# Allegro board A527_draft_V1_0.brd (continued)
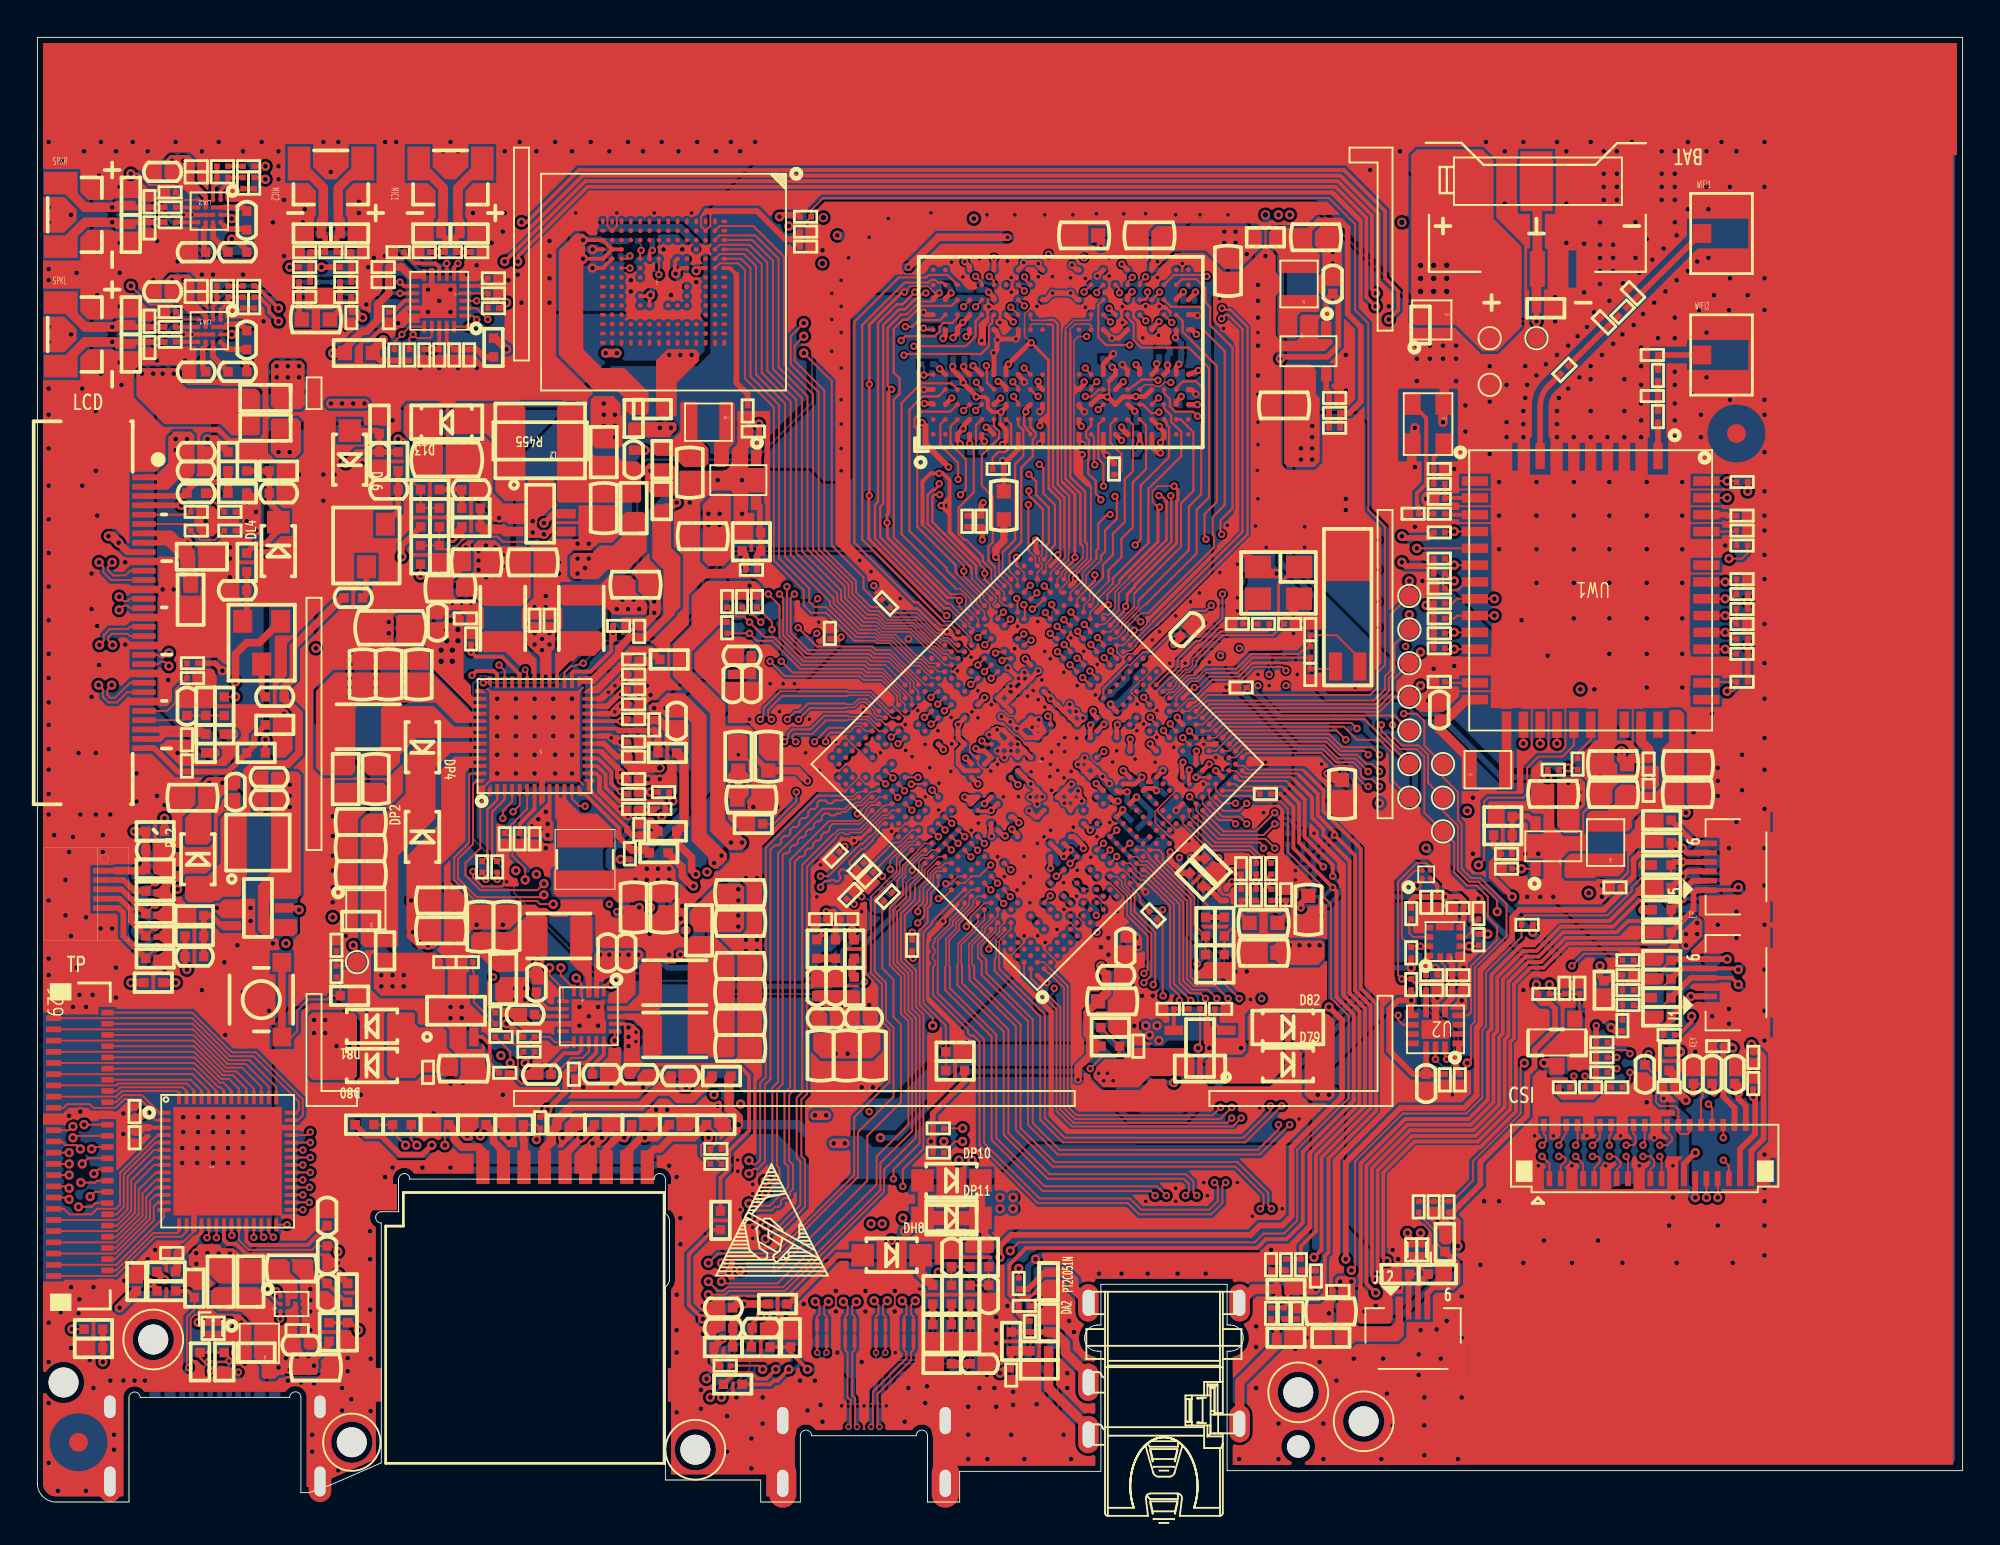
[diagram p0: board, top side]
## Routing (per net, layer and track width the routed paths; a pad name or vN(x,y) marks a point on that pad's centre or on a via; arc(x,y) is an arc through that point) (continued)
SDQS1P: length 26.3
  TOP w0.076: 48.76,48.1 48.83,48.1 48.99,47.94 48.99,47.9 49.87,47.02 49.87,46.88 49.94,46.8 50.04,46.8 50.1,46.75 50.1,46.67 50,46.57 U1.AB32
  TOP w0.097: v1(49.55,63.98) 49.88,64.31 UD1.D10
  TOP w0.127: v1(47.53,64.72) 47.38,64.72 47.07,64.4 46.97,64.4 46.41,63.84 46.09,63.84 45.25,62.99 45.25,53.43 45.09,53.27 45.09,51.65 48.64,48.1 48.76,48.1
  ART04 w0.104: v1(49.55,63.98) 49.71,63.98 49.71,63.98
  ART04 w0.127: v1(49.55,63.98) 49.71,63.98 49.78,64.06 49.78,64.33 48.95,65.16 47.44,65.16 47.32,65.03 47.32,64.86 47.44,64.72 v1(47.53,64.72)
SDQS2N: length 15.1
  TOP w0.076: 58.41,49.51 58.41,49.51 58.41,49.47 57.65,48.71 57.65,47.83 57.3,47.49 57.2,47.49 57.14,47.54 57.03,47.54 56.95,47.47 56.95,47.36 U1.AN23
  TOP w0.127: UD1.V3 59.13,58.75 59.6,58.29 59.95,58.29 v1(60,58.34) ; 58.41,49.51 60.41,51.51 60.41,53.58 60.12,53.87 v1(60,53.87)
  ART04 w0.127: v1(60,58.34) 60,58.42 60.14,58.57 60.17,58.57 60.47,58.27 60.47,55.3 60.15,54.99 60.15,54.02 v1(60,53.87)
SDQS2P: length 15.1
  TOP w0.076: 58.59,49.33 58.56,49.33 57.85,48.63 57.85,47.74 57.13,47.02 U1.AM23
  TOP w0.127: 58.59,49.33 60.66,51.4 60.66,53.84 v1(60.64,53.87) ; UD1.W3 v1(59.97,59.1)
  ART04 w0.127: v1(60.64,53.87) 60.45,54.06 60.45,54.86 60.76,55.18 60.76,58.39 60.28,58.87 60.28,58.87 60.26,58.89 60.18,58.89 v1(59.97,59.1)
SDQS3N: length 26.3
  TOP w0.076: U1.AN19 59.36,46.78 59.36,46.78 59.68,47.09 59.68,47.13
  TOP w0.127: 59.68,47.13 64.47,51.92 64.47,62.79 63.71,63.55 63.56,63.55 v1(63.36,63.34) ; v1(59.39,64.77) 59.39,64.51 59.23,64.35 58.98,64.35 UD1.V10
  ART04 w0.127: v1(59.39,64.77) 59.39,64.59 59.62,64.37 60.26,64.37 60.53,64.11 62.05,64.11 62.62,63.53 63.16,63.53 v1(63.36,63.34)
SDQS3P: length 26.5
  TOP w0.076: 59.88,46.93 59.44,46.57 58.78,45.9 58.78,45.84 58.54,45.6 U1.AM19
  TOP w0.127: v1(63.38,63.9) 63.46,63.82 63.82,63.82 64.74,62.9 64.74,51.8 59.88,46.93 ; UD1.W10 v1(60.04,64.77)
  ART04 w0.127: v1(60.04,64.77) 60.15,64.66 60.39,64.66 60.65,64.4 62.17,64.4 62.74,63.83 63.31,63.83 v1(63.38,63.9)
SPKL+: length 14.6
  TOP w0.3: DA9.2 5.1,62.9 CA30.1 v2(6.4,62.9) RA14.2
  TOP w0.5: DA9.2 4.3,63 4.2,62.9 v2(4,62.9) JA2.1 2.55,62.9 JA2.3
  BOTTOM w0.2: CA64.1 12.8,65.1 10.4,65.1 9,63.7 7.58,63.7 6.78,62.9 v2(6.4,62.9)
  BOTTOM w0.5: TP15.1 v2(4,62.9)
SPKL-: length 14.8
  TOP w0.3: DA8.2 5.1,62.1 CA29.1 v2(6.4,62.1) RA18.2
  TOP w0.5: JA2.4 2.55,62.1 JA2.2 v2(4,62.1) 4.2,62.1 4.3,62 DA8.2
  BOTTOM w0.2: v2(6.4,62.1) 7.7,63.4 9.12,63.4 10.52,64.8 12.9,64.8 CA67.1
  BOTTOM w0.5: v2(4,62.1) TP13.1
SPKR+: length 15.5
  TOP w0.3: RA16.2 v2(6.4,69.3) CA27.1 5.1,69.3 DA7.2
  TOP w0.5: DA7.2 4.3,69.4 4.2,69.3 v2(4,69.3) JA15.1 2.55,69.3 JA15.3
  BOTTOM w0.2: CA57.1 12.9,67.9 12.6,67.6 12.6,67.32 11.78,66.5 9.2,66.5 v2(6.4,69.3)
  BOTTOM w0.5: TP14.1 v2(4,69.3)
SPKR-: length 15
  TOP w0.3: DA6.2 5.1,68.5 CA26.1 v2(6.4,68.5) RA20.2
  TOP w0.5: JA15.4 2.55,68.5 JA15.2 v2(4,68.5) 4.2,68.5 4.3,68.4 DA6.2
  BOTTOM w0.2: CA60.1 11.9,66.2 9.08,66.2 6.78,68.5 v2(6.4,68.5)
  BOTTOM w0.5: TP12.1 v2(4,68.5)
SRST: length 23.1
  TOP w0.1: UD1.T11 57.87,64.96 57.87,64.76 57.88,64.75 57.88,64.74 v1(57.89,64.73)
  TOP w0.114: U1.AG23 54.91,45.2 54.6,45.51 v1(54.58,45.51)
  ART04 w0.076: v1(54.58,45.51) 54.58,46.38 55.28,47.08 55.28,47.13 56.01,47.86 56.01,48.58 56.94,49.51
  ART04 w0.114: v1(57.89,64.73) 58.48,64.14 58.48,63.46 59.26,62.67 59.29,62.67 59.51,62.45 59.51,57.58 59.73,57.37 59.73,56.19 59.43,55.9 59.43,53.06 56.94,50.57 56.94,49.51
TS: length 88.1
  TOP w0.1: UP1.39 23.89,43.89 v1(23.85,43.85)
  TOP w0.3: TP2.1 v2(80.2,63.2) RP3.2
  TOP w0.5: 80.3,70.6 80.25,70.55 JA14.3 80.2,65.95 RP3.2
  BOTTOM w0.1: v1(23.85,43.85) 27.6,43.85 30.45,46.7 30.45,48.25 32.1,49.9 32.1,55.3 32.6,55.8 38.4,55.8 41.45,58.85 41.45,68.85 42,69.4 68.3,69.4 74.5,63.2 v2(80.2,63.2)
TWI0-SCK: length 102.3
  TOP w0.1: UL3.20 v1(9.58,14.15) ; RL33.2 v2(49.5,20) ; U1.F18 v1(49.61,35.61) ; DL8.2 v2(6.3,32)
  TOP w0.3: DL8.2 4.5,32.8 JL4.3
  ART03 w0.1: v2(49.5,20) 47.3,20 45.8,18.5 42.3,18.5 40.7,20.1 39.1,20.1 38.35,20.85 36.87,20.85 36.52,20.5 32.98,20.5 31.88,21.6 28.07,21.6 27.62,22.05 26.37,22.05 25.9,22.52 23.69,22.52 23.18,23.03 21.87,23.03 15.46,29.44 12.14,29.44 10.88,30.7 8.4,30.7 7.6,31.5 7,31.5 6.5,32 v2(6.3,32) DL8.2 5.8,28.03 8.23,25.6 10.63,25.6 15.67,20.56 15.67,14.89 14.08,13.3 11.2,13.3 10.6,13.9 9.83,13.9 v1(9.58,14.15)
  ART04 w0.1: v2(49.5,20) 49.1,20.4 49.1,31.8 49.3,32 49.3,34.3 49.61,34.61 v1(49.61,35.61)
  BOTTOM w0.4: TP9.1 6.2,32.1 v2(6.3,32)
TWI0-SDA: length 103.1
  TOP w0.1: 48.9,35.61 v1(49.26,35.26) ; UL3.19 9.18,14.25 v1(9.07,14.15) ; DL9.2 v2(6.3,30.8) ; v2(49.5,19.3) 49.1,19.3 RL34.2
  TOP w0.3: JL4.4 4.4,32.3 5,31.7 5,31.1 DL9.2
  ART03 w0.1: v1(9.07,14.15) 9.52,13.7 10.52,13.7 11.12,13.1 14.17,13.1 15.87,14.81 15.87,20.64 10.72,25.8 8.32,25.8 6,28.12 6,30.5 v2(6.3,30.8) 6.7,30.8 7,30.5 10.8,30.5 12.06,29.24 15.38,29.24 21.79,22.83 23.1,22.83 23.61,22.32 25.82,22.32 26.28,21.85 27.53,21.85 27.98,21.4 31.8,21.4 32.9,20.3 36.6,20.3 36.95,20.65 38.25,20.65 39,19.9 40.6,19.9 42.2,18.3 45.9,18.3 47.4,19.8 49,19.8 v2(49.5,19.3)
  ART04 w0.1: v2(49.5,19.3) 48.9,19.9 48.9,32 49,32.1 49,34.44 49.26,34.7 v1(49.26,35.26)
  BOTTOM w0.4: v2(6.3,30.8) 6.1,30.6 TP10.1
TWI1-SCK: length 95.8
  TOP w0.1: U7.12 v1(74,29.75) 73.55,29.75 R28.2 73,30.2 73,33.1 73.7,33.8 U5.A2 ; U2.13 v1(74.8,23.7) ; U1.D18 v1(48.9,34.9)
  ART03 w0.1: v1(74.8,23.7) 74.57,23.47 67.27,23.47 67.13,23.33 65.7,23.33 65.07,22.7 62.35,22.7 59.63,19.97 52.27,19.97 50.2,17.9 49.7,17.9 v2(49.3,18.3) 48.8,18.3 48.2,17.7 41.9,17.7 40.3,19.3 38.75,19.3 38.67,19.38 36.98,19.38 34.8,17.2 34.8,8.43 36.4,6.83 36.4,6 v2(36,5.6)
  ART04 w0.1: v1(48.9,34.9) 48.2,34.2 48.2,32.8 48.6,32.4 48.6,32 48.1,31.5 48.1,30.8 48.7,30.2 48.7,19.8 49,19.5 49,18.6 v2(49.3,18.3)
  BOTTOM w0.1: U6.7 39.07,8.87 38.8,8.6 37.68,8.6 37.3,8.22 37.3,6.7 36.9,6.3 36.7,6.3 v2(36,5.6) ; v1(74.8,23.7) 75.2,23.3 75.6,23.3 76,23.7 76,25 74.3,26.7 74.3,29.45 v1(74,29.75)
TWI1-SDA: length 97.2
  TOP w0.076: U1.C17 48.2,34.55 47.48,33.83 47.48,33.57 46.95,33.05 46.95,32.85
  TOP w0.1: U5.B2 74.5,34 74.3,34.2 73.8,34.2 72.8,33.2 72.8,28.2 v1(73,28) R29.2 73.7,27.8 75.2,27.8 75.3,27.9 75.3,28.7 75.05,28.95 U7.2 ; 46.95,32.85 46.95,32.25 46.2,31.5 46.2,28.97 46.8,28.37 46.8,26.4 47.2,26 47.2,19.2 45.8,17.8 v1(45.8,17.3) ; v1(75.4,23.7) 75.3,23.8 U2.14
  ART03 w0.1: v2(36.6,5.6) 36.6,6.92 35,8.52 35,17.1 37.08,19.18 38.59,19.18 38.67,19.1 40.2,19.1 41.8,17.5 45.3,17.5 45.5,17.3 v1(45.8,17.3) 46,17.5 50.08,17.5 52.36,19.77 59.73,19.77 62.45,22.5 65.15,22.5 65.78,23.13 67.23,23.13 67.37,23.27 74.97,23.27 v1(75.4,23.7)
  BOTTOM w0.1: U6.1 38.1,7.1 v2(36.6,5.6) ; v1(73,28) 73.4,28 74.1,27.3 74.1,26.6 75.8,24.9 75.8,24.1 v1(75.4,23.7)
TWI5-SCK: length 48.8
  TOP w0.1: R42.2 19.1,62.1 v1(19.5,62.5) 19.91,62.91 UA3.16 ; U1.R30 48.12,43.39 v1(47.81,43.07)
  ART04 w0.1: v1(47.81,43.07) 47.81,43.09 45.5,45.4 42.2,45.4 41.2,46.4 41.2,49.08 40.3,49.98 40.3,59.48 36.18,63.6 29.98,63.6 28.68,64.9 23.22,64.9 22.6,64.28 22.6,63.48 22.32,63.2 20.52,63.2 20.22,62.9 19.9,62.9 v1(19.5,62.5)
TWI5-SDA: length 47.6
  TOP w0.076: 45.5,45.6 45.63,45.6 47.49,43.74 U1.R31
  TOP w0.1: UA3.17 21.1,62.4 21,62.3 20.3,62.3 v1(20.1,62.5) 19.9,62.3 R41.2 ; v1(40.7,46.8) 41.7,45.8 44.66,45.8 44.86,45.6 45.5,45.6
  ART04 w0.1: v1(40.7,46.8) 41,47.1 41,49 40.1,49.9 40.1,59.4 36.1,63.4 29.9,63.4 28.6,64.7 23.3,64.7 22.8,64.2 22.8,63.4 22.4,63 20.6,63 v1(20.1,62.5)
TX00: length 14
  TOP w0.1: UL3.41 13.94,20.44 14.2,20.7 14.2,21.56 11.68,24.07 10.41,24.07 8.28,26.2 J29.2
TX01: length 15.9
  TOP w0.1: J29.3 8.28,25.9 10.32,23.86 11.56,23.86 14,21.43 14,21 13.84,20.84 UL3.42
TX02: length 11
  TOP w0.1: UL3.43 12.78,22.22 11.35,23.65 10.25,23.65 8.3,25.6 J29.4
TX03: length 13.4
  TOP w0.1: UL3.44 12.38,22.22 11.15,23.45 10.17,23.45 8.32,25.3 J29.5
TX04: length 10
  TOP w0.1: J29.6 8.33,25 10.09,23.25 10.95,23.25 11.98,22.22 UL3.45
TX05: length 12.3
  TOP w0.1: J29.7 8.35,24.7 10,23.05 10.65,23.05 11.58,22.12 UL3.46
TX06: length 8.9
  TOP w0.1: UL3.47 11.18,22.12 10.45,22.85 9.92,22.85 8.37,24.4 J29.8
TX07: length 11.2
  TOP w0.1: UL3.48 10.78,22.12 10.25,22.65 9.84,22.65 8.39,24.1 J29.9
TX08: length 7.8
  TOP w0.1: UL3.49 10.38,22.02 9.95,22.45 9.75,22.45 8.4,23.8 J29.10
TX09: length 10.1
  TOP w0.1: J29.11 8.39,23.5 9.69,22.2 9.8,22.2 9.98,22.02 UL3.50
TX10: length 6.7
  TOP w0.1: UL3.51 9.58,22 8.37,23.2 J29.12
TX11: length 9.1
  TOP w0.1: UL3.52 9.18,22.02 8.3,22.9 J29.13
TX12: length 5.7
  TOP w0.1: UL3.53 8.78,22.02 8.2,22.6 J29.14
TX13: length 8.1
  TOP w0.1: J29.15 4.23,22.3 4.33,22.4 8,22.4 8.38,22.02 UL3.54
TX14: length 4.8
  TOP w0.1: J29.16 4.23,22 4.43,22.2 7.78,22.2 7.98,22 UL3.55
TX15: length 7.1
  TOP w0.1: UL3.56 7.58,21.9 7.48,22 4.52,22 4.22,21.7 J29.17
TX16: length 3.6
  TOP w0.1: UL3.1 6.53,20.84 5.6,21.77 4.57,21.77 4.2,21.4 J29.18
TX17: length 6.9
  TOP w0.1: J29.19 1.4,21.1 1.6,21.3 2.8,21.3 3,21.1 4.18,21.1 4.66,21.57 5.5,21.57 6.2,20.87 6.2,20.54 6.3,20.44 UL3.2
U/D: length 5
  TOP w0.1: RL2.1 9.5,53.5 8.4,53.5 8.2,53.3 RL6.2 8.05,52.85 J11.5
USB0-DM: length 63
  TOP w0.076: 44.53,35.62 44.55,35.64 44.61,35.64 44.85,35.88 44.85,36.16 45.29,36.6 45.65,36.6 U1.B24
  TOP w0.1: 44.53,35.62 44.11,35.2 44,35.2 42.3,33.5 v1(41.9,33.5)
  TOP w0.127: RP17.2 24,33.5 v1(24,33.33) ; RU2.2 v2(10.2,9.6)
  ART04 w0.127: v2(10.2,9.6) 10.2,9.8 9.95,10.05 9.45,10.05 9.3,9.9 9.3,9.1 9.5,8.9 10.84,8.9 11.35,9.41 11.35,11.95 12.2,12.8 13.3,12.8 16.15,15.65 16.15,17.65 23.95,25.45 23.95,26.92 23.45,27.43 23.45,30.15 24.15,30.85 24.15,33.18 v1(24,33.33) 24.17,33.5 24.17,33.97 25,34.8 26.6,34.8 26.82,34.58 30.18,34.58 31.15,35.55 34.49,35.55 35.59,36.65 40.05,36.65 41.45,35.25 41.45,33.72 41.67,33.5 v1(41.9,33.5)
USB0-DP: length 63
  TOP w0.076: U1.A24 45.23,36.32 45.01,36.1 45.01,35.81 44.72,35.52 44.72,35.46 44.71,35.45
  TOP w0.1: v1(41.9,32.91) 41.9,33 42.15,33.25 42.4,33.25 42.46,33.3 42.6,33.3 42.68,33.22 42.82,33.22 42.96,33.36 42.96,33.5 42.88,33.59 42.88,33.73 43.02,33.87 43.16,33.87 43.25,33.79 43.39,33.79 43.53,33.93 43.53,34.07 43.45,34.15 43.45,34.29 44.1,34.95 44.21,34.95 44.71,35.45
  TOP w0.127: v1(24.6,33.33) RP15.2 ; LU1.1 v2(8.6,9.62)
  ART04 w0.127: v1(41.9,32.91) 41.2,33.61 41.2,35.14 39.94,36.4 35.7,36.4 34.6,35.3 31.26,35.3 30.28,34.32 26.72,34.32 26.49,34.55 25.11,34.55 24.43,33.87 24.43,33.5 v1(24.6,33.33) 24.4,33.14 24.4,30.74 23.7,30.04 23.7,27.53 24.2,27.03 24.2,25.34 16.4,17.54 16.4,15.54 13.41,12.55 12.31,12.55 11.6,11.84 11.6,9.3 10.95,8.65 9.39,8.65 9.05,8.99 9.05,9.52 8.95,9.62 v2(8.6,9.62)
USB0-REXT: length 7.1
  TOP w0.1: v1(47.87,38.11) 48.2,37.78 U1.G22
  ART04 w0.1: v1(45.2,33.5) 45.2,36 47.31,38.11 v1(47.87,38.11)
  BOTTOM w0.1: v1(45.2,33.5) 45.2,33.48 R13.2
USB1-DM: length 50.3
  TOP w0.1: U1.E24 46.81,37.73 v1(47.15,37.39)
  TOP w0.127: v2(73.3,14.4) 73.5,14.2 RU5.2
  ART04 w0.127: v1(47.15,37.39) 47.2,37.34 47.2,36.5 46.35,35.65 46.35,33.05 45.7,32.4 45.7,29 47.05,27.65 47.05,19.05 51.1,15 64.5,15 65.1,14.4 69.64,14.4 69.84,14.6 70.15,14.6 70.35,14.4 70.66,14.4 70.86,14.6 71.16,14.6 71.36,14.4 71.67,14.4 71.87,14.6 72.18,14.6 72.38,14.4 72.6,14.4 73.05,13.95 73.45,13.95 73.55,14.05 73.55,14.15 v2(73.3,14.4)
USB1-DP: length 50.3
  TOP w0.1: v1(46.79,37.03) 46.44,37.38 U1.D24
  TOP w0.127: LU2.2 74.05,14.35 v2(74,14.4)
  ART04 w0.127: v2(74,14.4) 73.8,14.2 73.8,13.95 73.55,13.7 72.94,13.7 72.49,14.15 64.99,14.15 64.39,14.75 50.99,14.75 46.8,18.94 46.8,27.54 45.45,28.89 45.45,32.51 46.1,33.16 46.1,35.76 46.95,36.61 46.95,36.87 v1(46.79,37.03)
USB1-REXT: length 6.3
  TOP w0.1: v1(46.75,38.43) 46.76,38.44 U1.G24 ; R14.2 v1(43.2,35.1)
  ART04 w0.1: v1(43.2,35.1) 43.2,35.5 46.13,38.43 v1(46.75,38.43)
USB-DRVVBUS: length 82.2
  TOP w0.1: RP84.1 24.1,26.6 24.1,27.8 v1(24.4,28.1) ; U1.AK7 v1(61.28,40.91)
  ART03 w0.1: v1(24.4,28.1) 24.6,28.3 26.9,28.3 27.2,28 28.3,28 28.7,27.6 29.1,27.6 29.7,28.2 32.2,28.2 34.3,26.1 41.2,26.1 41.3,26 42,26 42.2,26.2 48.1,26.2 48.2,26.3 62.87,26.3 63.22,25.95 65.95,25.95 66.1,26.1 71.7,26.1 74.4,28.8 74.4,30.4 74.8,30.8 74.8,34.2 76.5,35.9 v2(76.5,37)
  ART04 w0.1: v2(76.5,37) 76.2,37 72.4,40.8 70.6,40.8 69.8,41.6 62.5,41.6 61.81,40.91 v1(61.28,40.91)
USB-VBUS: length 2.6
  TOP w0.3: RP75.2 15.6,8.4 14.8,7.6
  TOP w0.5: DU16.2 v2(4.8,10.8) v2(4.4,10.4)
  vias: v2(12.9,7.2) v2(13.3,7.7) v2(13.5,7.1) v2(13.9,7.8) v2(14.5,7.8) v2(14.8,25.8) v2(14.8,25.1) v2(14.8,7.3) v2(15.4,25.8) v2(15.4,25.1) v2(16,24.4) v2(16.7,24.4)
VCM-ADC: length 3.9
  TOP w0.254: v1(57.81,37.52) 57.58,37.52 57.39,37.71 U1.Y9
  BOTTOM w0.254: v1(57.81,37.52) 57.6,37.31 57.6,36.75 58.95,35.4 59.3,35.4 C67.1
VCOM: length 8.3
  TOP w0.3: J11.30 6.25,40.35 7.5,39.1 CL2.1 10.2,39.1 RL4.1 11.6,40.5 11.6,41 RL8.2
VGH-LCD: length 6.8
  TOP w0.3: RL38.1 RL24.2 CL17.1 12.4,53.5 12.89,53.01 DL4.2 12.89,51.99 12.2,51.3 11.7,51.3 RL22.2
VGL-LCD: length 17.4
  TOP w0.3: CL20.1 RL29.2 ; CL20.1 17.1,56.2 v2(16.5,55.6) ; CL20.1 RL32.2 18.15,57.35 DL6.1 ; J11.4 v2(7.7,53.35)
  ART03 w0.3: v2(7.7,53.35) 9.95,55.6 v2(16.5,55.6) 16.51,55.6
VLED+: length 21
  TOP w0.3: J11.1 6.55,54.85 6.8,54.6 6.55,54.35 J11.2 ; v2(27.1,52.4) 27.6,52.9 UL4.5
  TOP w0.8: 6.8,54.6 7.4,55.2 C651.2 CL9.1
  ART03 w0.3: 21.9,57.2 v2(21.5,56.8) ; 21.9,57.2 23,58.3 25.6,58.3 27.2,56.7 27.2,52.5 v2(27.1,52.4) ; 21.9,57.2 20.9,57.2
  ART03 w0.5: v2(21.5,56.8) v2(20.9,56.8) v2(20.3,56.8)
  BOTTOM w0.5: v2(20.3,56.8) v2(20.9,56.8) v2(21.5,56.8)
  vias: v2(7.4,56.9) v2(7.4,56.3) v2(8,56.9)
VLED-: length 25.2
  TOP w0.3: J11.8 6.55,51.35 6.8,51.6 6.55,51.85 J11.7
  TOP w0.5: v2(22.2,51.6) 22.7,52.1 RL21.1 ; 7.3,51.35 v2(8.05,51.35) RL39.1
  TOP w0.8: 6.8,51.6 7.05,51.6 RL39.1 8.05,49.8 8.2,49.65 RL27.1
  ART03 w0.5: v2(8.05,51.35) 8.05,52.65 8.7,53.3 9.8,53.3 10.8,54.3 15.6,54.3 18.3,51.6 v2(22.2,51.6)
VOL+: length 7
  TOP w0.1: R17.2 85.5,27.5 86.9,27.5 D3.2
  TOP w0.2: v2(91,28.5) 90.94,28.56 J1.5
  TOP w0.3: D3.2 87.96,28.56 J1.5
  BOTTOM w0.2: TP19.1 v2(91,28.5)
VOL-: length 7.3
  TOP w0.1: D4.2 86.9,26.5 85.5,26.5 R18.2
  TOP w0.2: J1.4 90.64,28.06 v2(91,27.7)
  TOP w0.3: D4.2 88.46,28.06 J1.4
  BOTTOM w0.2: TP18.1 v2(91,27.7)
VRA1: length 1.5
  TOP w0.203: v1(61.29,39.6) 61.25,39.56 61.25,39.35 61.25,39.35 61.25,39.03 61.25,39.03 61.25,38.82 U1.AG5
  BOTTOM w0.3: C64.1 60.91,39.23 v1(61.29,39.6)
VRA2: length 1.4
  TOP w0.203: U1.AG4 61.6,38.47 61.6,39.17 v1(61.63,39.19)
  BOTTOM w0.3: v1(61.63,39.19) 61.41,38.98 C65.1
VREFP-ADC: length 7.9
  TOP w0.254: U1.AA9 57.77,38.06 57.79,38.06 57.84,38.01 v1(58.3,38.01)
  TOP w0.3: v1(60.6,34.8) 60.6,34.35 61.3,33.65 R45.2
  ART04 w0.305: v1(60.6,34.8) 58.6,36.8 58.6,37.2 58.3,37.5 v1(58.3,38.01)
  BOTTOM w0.3: v1(58.3,38.01) 58.3,37.5 58.6,37.2 58.7,37.2 C68.1
VRP: length 1.9
  TOP w0.25: U1.AC7 59.27,38.2 59.75,38.2 v1(59.86,38.09)
  BOTTOM w0.3: C66.1 60.11,38.09 v1(59.86,38.09) 59.86,38.46 R57.1
WL-DIS-N: length 40.5
  TOP w0.076: 63.74,40.9 63.05,40.21 U1.AL5
  TOP w0.1: 63.74,40.9 63.94,41.1 69.11,41.1 69.81,40.4 71.4,40.4 v1(71.8,40) ; UW1.44 v2(90.3,49.25)
  ART04 w0.1: v2(90.3,49.25) 89.95,49.25 89.2,48.5 89.2,42.6 85.5,38.9 85.5,38 83.6,36.1 76.1,36.1 72.2,40 v1(71.8,40)
WL-REG-ON: length 26.4
  TOP w0.1: UW1.15 v2(75.8,51.95) 75.35,51.95 RW9.1 ; v1(71.2,38.3) 71.1,38.3 70.6,38.8 70.6,39.1 70.3,39.4 69.4,39.4 68.7,40.1 64.71,40.1 U1.AN2
  ART03 w0.1: v1(71.2,38.3) 70.8,38.7 70.8,40.6 71,40.8 71,41.3 72.6,42.9 72.6,50.6 73.6,51.6 75.45,51.6 v2(75.8,51.95)
WL-SDIO-CLK: length 42.7
  TOP w0.1: v1(60.23,27.1) 60.2,27.13 60.2,30.9 RW1.2 ; v2(75.8,49.3) 75.7,49.3 RW5.1 75.2,49.6 75.2,49 CW8.2 75.4,48.8 76,48.8 76.45,49.25 UW1.18
  ART03 w0.1: v1(60.23,27.1) 61.57,28.45 62.25,28.45 62.6,28.8 65.15,28.8 65.77,28.17 69.5,28.17 70.8,29.47 70.8,31 71.9,32.1 71.9,35.55 77.1,40.75 77.1,48 v2(75.8,49.3)
WL-SDIO-CMD: length 44.2
  TOP w0.076: 58.7,32.4 58.7,32.5 58.2,33 58.2,33.39 U1.R2
  TOP w0.1: 58.7,32.4 58.7,31.6 59.8,30.5 59.8,27.8 v1(59.7,27.7) ; UW1.17 v2(75.8,50.15) 75.65,50.15 RW6.1
  ART03 w0.1: v1(59.7,27.7) 61.2,29.2 65.31,29.2 65.94,28.57 69.24,28.57 70.3,29.63 70.3,31.13 71.5,32.33 71.5,35.71 76.7,40.91 76.7,47.6 75.3,49 75.3,49.65 v2(75.8,50.15)
WL-SDIO-D0: length 40.6
  TOP w0.076: 57.39,33.49 57.74,33.49 58.02,33.21 58.02,32.97 58.5,32.49 58.5,32.4
  TOP w0.1: UW1.21 v2(75.8,46.55) 75.35,46.55 RW4.1 ; 58.5,32.4 58.5,31.5 59.6,30.4 59.6,28.2 v1(59.2,27.8)
  ART03 w0.1: v1(59.2,27.8) 60.8,29.4 65.4,29.4 66.02,28.77 69.16,28.77 70.1,29.72 70.1,31.22 71.3,32.42 71.3,35.8 76.5,41 76.5,45.85 v2(75.8,46.55)
WL-SDIO-D1: length 37.8
  TOP w0.076: 58.3,31.4 58.3,32.47 57.74,33.03 U1.P2
  TOP w0.1: v1(59.2,28.3) 59.4,28.5 59.4,30.3 58.3,31.4 ; RW3.1 75.35,45.65 v2(75.8,45.65) UW1.22
  ART03 w0.1: v1(59.2,28.3) 60.5,29.6 65.48,29.6 66.11,28.97 69.07,28.97 69.9,29.8 69.9,31.3 71.1,32.5 71.1,35.88 76.3,41.08 76.3,45.15 v2(75.8,45.65)
WL-SDIO-D2: length 44.1
  TOP w0.076: U1.T3 58.45,34.2 58.76,33.89 58.76,33.85 59.1,33.5 59.3,33.5
  TOP w0.1: RW8.1 75.8,47.3 75.95,47.45 UW1.20 v2(77.95,47.45) ; v1(61.7,26.85) 60.8,27.75 60.8,32 59.3,33.5
  ART03 w0.1: v1(61.7,26.85) 61.7,27.27 62.23,27.8 65.22,27.8 65.47,27.55 69.93,27.55 71.5,29.12 71.5,30.82 72.5,31.82 72.5,35.3 77.7,40.5 77.7,47.2 v2(77.95,47.45)
WL-SDIO-D3: length 44.3
  TOP w0.1: v2(77.95,48.35) UW1.19 75.95,48.35 75.7,48.1 RW7.1 ; v1(61.1,26.85) 61.1,27.1 60.6,27.6 60.6,31.9 59.2,33.3 58.99,33.3 U1.T2
  ART03 w0.1: v1(61.1,26.85) 61.1,26.95 62.15,28 65.3,28 65.55,27.75 69.85,27.75 71.3,29.2 71.3,30.9 72.3,31.9 72.3,35.38 77.5,40.58 77.5,47.9 v2(77.95,48.35)
WL-WAKE-AP: length 24.3
  TOP w0.1: U1.AN3 64.4,40.5 68.87,40.5 69.57,39.8 70.5,39.8 v1(71.2,39.1) ; UW1.16 v2(73.8,51.05)
  ART03 w0.1: v2(73.8,51.05) 73.8,50.4 72.8,49.4 72.8,42.5 72.7,42.4 72.7,42 72.9,41.8 72.9,40.5 71.9,39.5 71.6,39.5 v1(71.2,39.1)
WREQIN: length 4.6
  TOP w0.1: U1.AK13 59.19,43 v1(59.19,43.07)
  BOTTOM w0.1: R2.1 62.1,45 61.6,44.5 60.62,44.5 v1(59.19,43.07)
X32KIN: length 12.9
  TOP w0.076: U1.AM12 60.69,43.04 61.3,43.65 61.3,43.75 61.64,44.09 62.03,44.09 62.5,44.57 62.81,44.57 62.84,44.6
  TOP w0.1: Y2.1 70.75,45.15 69.5,46.4 C31.1 R3.1 ; 63.67,44.6 62.84,44.6
  TOP w0.114: 63.67,44.6 64.15,44.6 64.94,45.39 67.49,45.39 67.8,45.7 68,45.7 R3.1
X32KOUT: length 10.5
  TOP w0.076: 62.88,44.38 62.53,44.38 62.08,43.93 61.71,43.93 61.5,43.72 61.5,43.61 60.92,43.04 U1.AM11
  TOP w0.1: Y2.2 69.33,44.6 C35.1 R3.2
  TOP w0.114: R3.2 65.02,45.2 64.2,44.38 62.88,44.38
XTAL-XON: length 2.4
  TOP w0.2: RW17.1 RW12.1 75.35,53.75 UW1.13
XTAL-XOP: length 1.6
  TOP w0.2: RW22.1 75.35,52.85 UW1.14
N1088498: length 5.5
  TOP w0.2: UP1.13 29,38 29.1,37.9 29.3,37.9 31.1,36.1 31.1,35.9
  TOP w0.3: 31.1,35.9 31.1,35.6 CP27.1
  TOP w0.4: CP27.1 31.8,34.9 32.59,34.9 RP16.2
N1091496: length 6.4
  TOP w0.2: 29.75,43.4 UP1.26 29.59,43.5 29.85,43.5 29.75,43.4 ; 29.75,43.4 29.95,43.4 30.35,43.8 30.35,43.9
  TOP w0.4: RP28.1 32.8,45.6 31.8,45.6 31.6,45.4 CP40.1 31.55,45.1 29.95,43.5 29.85,43.5
N1092981: length 4.2
  TOP w0.127: RP15.1 24.33,34.57 24.33,36.95 25,37.62 UP1.3
N1092985: length 4.1
  TOP w0.127: RP17.1 24.07,34.57 24.07,37.05 24.6,37.58 UP1.2
N1093956: length 2.6
  TOP w0.2: UP1.7 26.6,37.1 25.8,36.3 CP23.1
N16421057: length 2.5
  TOP w0.15: R4.2 C34.1 64.5,47.3 64.7,47.5 64.7,47.75 Y1.3
N16738321: length 0.7
  TOP w0.3: CA5.2 RA7.2
N16738325: length 0.8
  TOP w0.3: CA6.2 RA8.2
N16751131: length 2.9
  TOP w0.2: v2(10.4,68.7) 10.2,68.9 UA2.C1
  TOP w0.3: CA10.2 11.2,67 10.6,67.6 v2(10.4,67.6)
  ART04 w0.2: v2(10.4,67.6) v2(10.4,68.7)
N16751135: length 1.9
  TOP w0.2: UA2.D2 9.4,68.3
  TOP w0.3: 9.4,68.3 9.4,67.7 CA10.1
N16751227: length 1.9
  TOP w0.2: 10,69.3 UA2.B1 UA2.B2
  TOP w0.3: 10,69.3 11,69.3 CA11.2
N16751239: length 1.6
  TOP w0.2: 10,68.3 UA2.D1
  TOP w0.3: CA11.1 11.15,68.15 10.15,68.15 10,68.3
N16751283: length 1.9
  TOP w0.2: 9,68.3 UA2.D3 ; 9,68.3 9,68.2 8.9,68.1 8.9,68.2 9,68.3
  TOP w0.3: 8.9,68.1 8.9,67 CA20.2
N16751508: length 1.2
  TOP w0.2: RA16.1 8.4,69.3 UA2.B4
N16751512: length 1.2
  TOP w0.2: UA2.D4 RA20.1
N16751951: length 0.8
  TOP w0.2: RA15.1 CA22.1
N16751955: length 0.6
  TOP w0.2: RA19.1 CA24.1
N16751963: length 1.9
  TOP w0.2: UA2.A2 9.4,70.4 9.6,70.6 CA28.2 RA15.2
N16751967: length 2.2
  TOP w0.2: RA19.2 CA28.1 10.2,70.6 9.8,70.2 UA2.A1
N16755485: length 2.9
  TOP w0.2: UA1.C1 v2(10.4,62.5)
  TOP w0.3: v2(11.2,61) CA18.2
  ART04 w0.3: v2(10.4,62.5) 11.2,61.7 v2(11.2,61)
N16755489: length 1.9
  TOP w0.2: UA1.D2 9.4,61.8
  TOP w0.3: 9.4,61.8 9.4,61.3 CA18.1
N16755521: length 2
  TOP w0.2: UA1.B2 UA1.B1 10.05,62.9
  TOP w0.3: 10.05,62.9 10.2,63.05 10.85,63.05 CA15.2
N16755553: length 1.6
  TOP w0.2: 10,61.9 UA1.D1
  TOP w0.3: CA15.1 10.2,61.7 10,61.9
N16755585: length 1.7
  TOP w0.2: 8.85,61.75 9,61.9 UA1.D3
  TOP w0.3: 8.85,61.75 8.85,60.65 CA19.2
N16755681: length 1.2
  TOP w0.2: RA14.1 8.4,62.9 UA1.B4
N16755685: length 1.2
  TOP w0.2: UA1.D4 RA18.1
N16755841: length 0.8
  TOP w0.2: RA13.1 CA21.1
N16755865: length 0.6
  TOP w0.2: RA17.1 CA23.1
N16755869: length 1.9
  TOP w0.2: RA13.2 CA25.2 9.6,64.2 9.4,64 UA1.A2
N16755873: length 2.2
  TOP w0.2: UA1.A1 9.8,63.8 10.2,64.2 CA25.1 RA17.2
N16761244: length 2.2
  TOP w0.2: CA38.1 64.4,31.45 RA21.1 RA23.1
N16761262: length 2.2
  TOP w0.2: RA25.1 RA27.1 66.8,31.45 CA38.2
N16772805: length 2
  TOP w0.1: RA31.1 CA49.1 UA3.4
N16773134: length 2.6
  TOP w0.2: CA52.1 20.2,66.3 21.3,66.3 21.5,66.1 UA3.8
N16775948: length 3.2
  BOTTOM w0.2: CA56.1 CA58.1 CA55.2 RA32.1 RA33.2
N16775984: length 3.2
  BOTTOM w0.2: RA34.2 RA35.2 CA61.1 CA58.2 CA59.1
N16776020: length 0.8
  BOTTOM w0.2: RA33.1 CA57.2
N16776024: length 0.8
  BOTTOM w0.2: CA60.2 RA34.1
N16776879: length 3.2
  BOTTOM w0.2: CA63.1 CA65.1 RA36.1 CA62.2 RA37.2
N16776915: length 3.2
  BOTTOM w0.2: CA66.1 CA65.2 RA39.2 CA68.1 RA38.2
N16776951: length 0.8
  BOTTOM w0.2: RA37.1 CA64.2
N16776955: length 0.8
  BOTTOM w0.2: RA38.1 CA67.2
N16883114: length 1.8
  TOP w0.3: RW11.2 UW1.2
N16883116: length 4.8
  TOP w0.3: UW1.9 80.4,58.66 arc(80.52,59.25) 80.86,59.76 RW10.2
N16883252: length 3.8
  TOP w0.3: CW3.2 CW5.1 81.91,60.82 RW10.1
N16883256: length 1.6
  TOP w0.3: RW11.1 CW6.2 CW4.2
N16883260: length 5.7
  TOP w0.3: JW1.1 88.99,67.9 CW1.1 CW3.1
N16883272: length 3.1
  TOP w0.3: JW2.1 CW2.2 CW4.1
N16885175: length 2.3
  TOP w0.2: YW1.1 75.28,56.48 74.7,55.9 CW14.1 RW17.2
N16885194: length 7.3
  TOP w0.2: RW22.2 CW15.1 73.9,53.3 73.8,53.4 73.8,54 74.3,54.5 74.3,58.03 YW1.3
N16886615: length 5.7
  TOP w0.5: UW1.25 76.45,42.95 75.4,41.9 CW16.2 75,41.4 76.6,39.8 LW1.1
N16886881: length 2.4
  TOP w0.5: LW1.2 UW1.26
N16921291: length 9.8
  TOP w0.1: R525.1 16.2,27.9 D83.2 15.7,27.1 15.5,26.9 14.5,26.9 13.9,26.3 13.9,25.2 13.59,24.89 KP4.2
  TOP w0.4: KP4.1 KP4.2
N16922585: length 1.1
  TOP w0.3: R34.2 74.3,29.05 U7.1
N16922662: length 2
  TOP w0.1: R33.1 73.4,31.1 73.4,30.45 73.6,30.25 U7.11
N16922793: length 1.6
  TOP w0.1: U7.6 76.45,30.25 76.7,30.5 76.7,30.8 R36.1
N16923769: length 1.8
  TOP w0.3: R27.1 75.9,23.1 75.9,23.8 76.05,23.95 U2.1
N16924183: length 1.1
  TOP w0.3: R26.2 U2.7
N16937851: length 2.5
  TOP w0.4: R30.1 C95.1 37.2,9.6 v2(37.4,9.8)
  BOTTOM w0.4: U6.8 37.95,9.25 v2(37.4,9.8)
N17020418: length 1.5
  TOP w0.2: UU1.3 63.35,25.25 63,25.6 RU10.1
N17022172: length 2
  TOP w0.2: RP86.2 RU9.1 UU1.4
N17036419: length 3.4
  TOP w0.3: CP51.1 RP45.1 RP44.2 79.75,36.7 UP5.5
N17038121: length 3.8
  TOP w0.3: CP54.1 38.5,50.7 RP52.1 RP51.2 38.65,51.95 38.65,53.3 UP7.5
N17060945: length 7.2
  TOP w0.1: RC5.2 36,18.7 RC3.1 36.3,19.2 36.3,19.7 DC4.2
  TOP w0.4: DC4.2 35.1,19.5 33.9,19.5 33.3,18.9 33,18.9 32.63,18.53 JC1.9
N17062757: length 2.2
  TOP w0.3: RA24.1 RA22.1 16.2,63.85 CA40.1
N17062765: length 2.1
  TOP w0.3: CA40.2 14,63.45 RA28.1 RA26.1
N17079515: length 4.5
  TOP w0.076: 46.5,47.6 47.03,47.6 48.13,46.5 48.24,46.5 48.48,46.27 48.73,46.27 49.14,45.86 U1.Y32
  TOP w0.1: RM1.1 45.9,47.6 46.5,47.6
N17228360: length 2.4
  TOP w0.1: UW1.47 90.85,51.95 RW16.2 RW15.2
N17439134: length 1.6
  TOP w0.3: UW1.48 90.35,52.85 90.4,52.8 RW63.2
N17613566: length 2.7
  TOP w0.2: RP68.1 24.2,23.47 24.2,24.5 23.8,24.9 UP3.3
N17613662: length 3.8
  TOP w0.1: RP84.2 23.35,26.75 UP3.4 23.35,28.35 23.3,28.4 RP74.2
N17613921: length 7.1
  TOP w0.2: RP75.1 RP76.2 16.77,9.6 v2(17.17,9.2) ; UP2.C1 v1(13,9.8)
  ART03 w0.2: v2(17.17,9.2) 16.57,8.6 14.1,8.6 13,9.7 v1(13,9.8)
N17613994: length 17.5
  TOP w0.1: v2(19.7,19.1) 19,19.8 RP83.2 RP77.2 ; v1(12.3,11.4) 12.3,11.2 12.9,10.6 UP2.B1
  ART03 w0.1: v1(12.3,11.4) 13.2,12.3 15.11,12.3 15.61,11.8 16.5,11.8 17,12.3 17,17.32 18.78,19.1 v2(19.7,19.1)
N17628716: length 8.8
  TOP w0.2: v2(35.6,9.8) 34.85,10.55 34.85,13.25 36.18,14.58 RP14.2
  BOTTOM w0.2: DP5.1 34.85,9.05 v2(35.6,9.8)
N17640910: length 7.5
  TOP w0.1: U1.AM14 60.52,44.4 60.7,44.4 61,44.7 61,45.1 62,46.1 62.2,46.1 63.4,47.3 v1(63.4,48.6)
  BOTTOM w0.1: TP46.1 v1(63.4,48.6)
N17651144: length 2.1
  TOP w0.1: RW30.1 82.4,40.1 83.1,40.8 UW1.31
N17680610: length 3.6
  TOP w0.076: U1.C21 46.78,35.96 46.12,35.3 45.8,35.3 45.4,34.9
  TOP w0.1: 45.4,34.9 44.71,34.21 R40.2
N17680613: length 2.9
  TOP w0.076: 46.1,35.1 46.17,35.1 46.68,35.61 U1.B21
  TOP w0.1: R39.2 46.1,35.1
N17680936: length 8.4
  TOP w0.1: v1(48.92,36.34) 48.58,36.67 U1.F20
  ART03 w0.1: v1(44.1,32.4) 44.9,32.4 46,33.5 46,34.3 48.04,36.34 v1(48.92,36.34)
  BOTTOM w0.1: v1(44.1,32.4) TP49.1
N17697156: length 8
  TOP w0.2: 37.4,65.7 37.05,66.05 UM1.A6
  TOP w0.3: 37.4,65.7 37.4,59.9 38,59.3 RM7.2
N17697160: length 1
  TOP w0.2: UM1.J5 32.75,66.85 v1(32.9,67)
  BOTTOM w0.3: RM6.2 v1(32.9,67)
N17718058: length 9.5
  TOP w0.1: RL26.2 RL25.2 ; RL26.2 21.7,51 22.25,51 22.92,51.67 24.63,51.67 24.9,51.4 27.3,51.4 27.85,51.95 UL4.4 ; RL26.2 RL20.2
N17718169: length 2.2
  TOP w0.3: RL30.1 CL19.1 RL31.2
N17718251: length 2.9
  TOP w0.3: RL31.1 RL21.2
  TOP w0.5: UL4.3 25.05,51.95 24.93,52.07 23.83,52.07 RL21.2
N17802756: length 1.9
  TOP w0.1: U1.AA29 v1(50.32,44.8)
  BOTTOM w0.076: v1(50.32,44.8) 49.89,44.8 49.51,45.18 RD5.1
N17937702: length 2.1
  TOP w0.1: RA43.2 65.21,38.09 U1.AJ1
N17946732: length 0.8
  BOTTOM w0.2: CA2.2 RA44.1
N17946768: length 0.8
  BOTTOM w0.2: CA4.2 RA45.1
N18009114: length 11.1
  TOP w0.2: 5.96,20.04 UL3.3
  TOP w0.4: RL35.1 v2(5,27.8) ; v2(5.7,20.8) 5.5,20.6 CL21.1 CL22.1 5.4,19.8 5.64,20.04 5.96,20.04
  ART04 w0.4: v2(5.7,20.8) 5.7,27.1 v2(5,27.8)
N18009268: length 3.2
  TOP w0.2: UL3.18 8.78,14.43 8.46,14.11 8.46,14.09
  TOP w0.4: 8.46,14.09 7.71,13.33 CL29.1 7.49,12.43 RL36.1
N18009312: length 9.3
  TOP w0.2: RL37.1 16.5,10.7 CL31.1 15,12.2 15,13 14.75,13.25 11.2,13.25 10.62,13.83 10.17,13.83 9.98,14.02 UL3.21
N18009339: length 5.7
  TOP w0.2: UL3.24 11.18,13.97 11.4,13.75 14.45,13.75 CL30.1
N18121847: length 17.3
  TOP w0.4: CL14.1 16.3,48.4 13.7,45.8 13.7,44.1 13.2,43.6 CL13.2 13.2,43 14,42.2 14,40.1 13.4,39.5 11.6,39.5 11.2,39.1 11.2,37 10.65,36.45 LL1.2
N18121901: length 3.9
  TOP w0.3: UL1.3 9.85,30.85 9.3,31.4 RL23.2 RL19.1 CL12.2
N18121909: length 1.7
  TOP w0.3: DL5.3 17.6,48.6 CL14.2
N18121965: length 1.8
  TOP w0.3: CL13.1 12,43.3 DL3.3
N18122037: length 2.7
  TOP w0.3: DL3.2 11.2,47.36 CL16.1 RL22.1
N18122151: length 3.1
  TOP w0.3: DL5.1 19.3,53.03 CL18.1 RL29.1
N18123015: length 3.4
  TOP w0.127: RU5.1 73.5,13 73.82,12.68 73.82,12.3 73.72,12.2 DU11.2
  TOP w0.3: J12.3 73.36,12.16 DU11.2
N18123017: length 3.2
  TOP w0.127: DU10.2 74.05,12.55 LU2.1
  TOP w0.3: DU10.2 73.86,11.66 J12.4
N18123140: length 7.3
  TOP w0.1: DU9.2 74.8,13.9 74.8,14.5 73.9,15.4 RU7.1
  TOP w0.3: J12.5 74.36,11.16 74.7,11.5 75.7,11.5 75.97,11.77 75.97,12.73 DU9.2
N18217197: length 4.7
  TOP w0.2: v2(41.2,7.1) 40.3,8 DH3.2 RH3.2
  BOTTOM w0.2: v2(41.2,7.1) 41.8,7.1 42.43,6.47 42.43,5.95
